# Altium PCB MC3.PcbDoc (part 2 of 4) (continued)
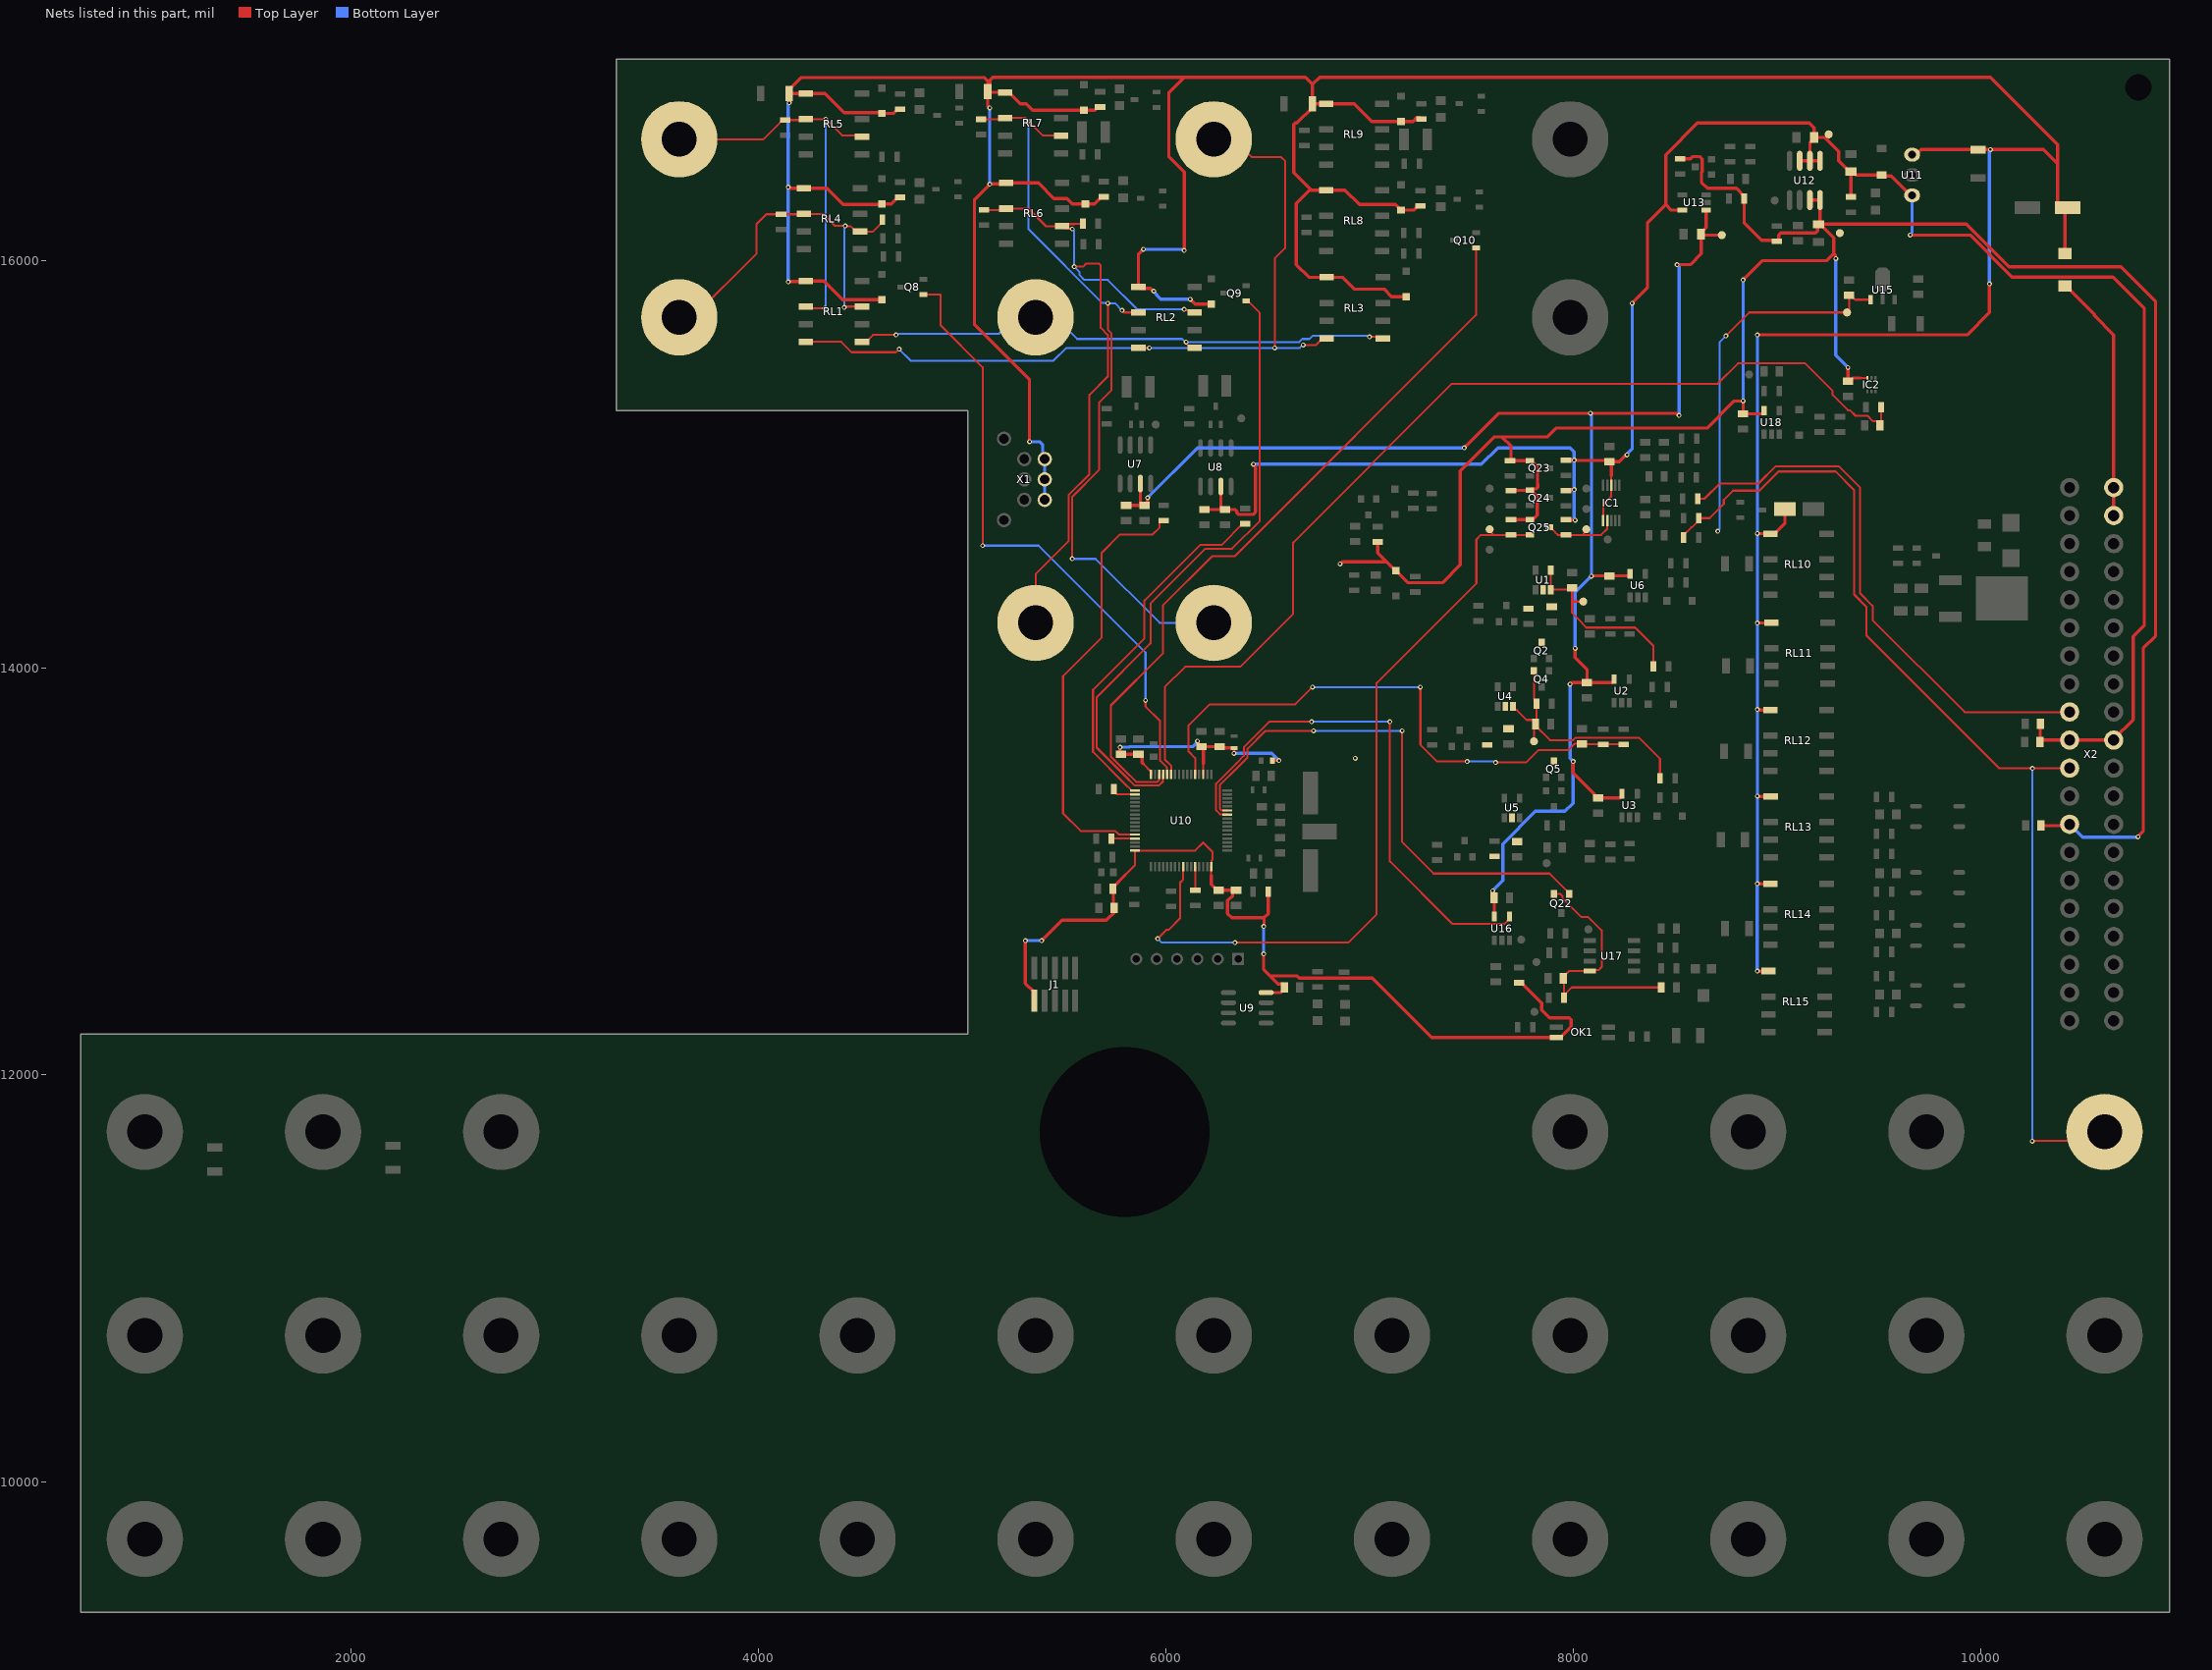
[diagram p2: the nets of this part, all layers, seen from the top]
## Part data (continued)
ESD1 ESD2: "TVS DIODE 35V 59V SOT323-3", Manufacturer=STMicroelectronics, Supplier Part Number 1=511-ESDCAN06-2BWY, Category="TVS Diodes", ComponentLink1Description=https://www.st.com/resource/en/datasheet/esdcan06-2bwy.pdf?src-supplier=Digi-Key, ComponentLink1URL=https://www.st.com/resource/en/datasheet/esdcan06-2bwy.pdf?src-supplier=Digi-Key, Manufacturer Part Number=ESDCAN06-2BWY, Pricing 1="1=0.42000, 10=0.29500, 100=0.13600, 1000=0.10400, 3000=0.08900, 9000=0.08100 (USD)", RoHS=No, Stock 1=4203, Supplier 1=Mouser
F1 F2 F3 F4 F5 F6 F7 F8: library part 0ZCJ0035AF2E, "PTC RESET FUSE 30V 350MA 1206", Case Code (Imperial)=1206, Case Code (Metric)=3216, Hold Current=350mA, Manufacturer=Bel, Max Current Rating=40A, Max Operating Temperature=85°C, Max Voltage Rating (DC)=30V, Min Operating Temperature=-40°C, Package Quantity=3000, Power Dissipation=600mW, Supplier Part Number 1=530-0ZCJ0035AF2E, Trip Current=750mA, Approvals=UL,TUV, Case/Package=1206, Category=Fuses, ComponentLink1Description=https://datasheet.ciiva.com/18550/0zcj-18550696.pdf?src-supplier=Digi-Key, ComponentLink1URL=https://datasheet.ciiva.com/18550/0zcj-18550696.pdf?src-supplier=Digi-Key, ComponentLink2Description=https://datasheet.ciiva.com/18550/0zcj-18550697.pdf?src-supplier=Digi-Key, ComponentLink2URL=https://datasheet.ciiva.com/18550/0zcj-18550697.pdf?src-supplier=Digi-Key, Contact Plating=Tin,Matte, Lead Free="Lead Free", Manufacturer Part Number=0ZCJ0035AF2E, Mount="Surface Mount", Number of Terminals=2, Packaging="Tape and Reel", Pricing 1="1=0.17000, 10=0.16700, 25=0.15400, 100=0.11700, 250=0.10600, 500=0.09000 (USD)", RoHS=Yes, Stock 1=19724, Supplier 1=Mouser, Time to Trip=0.1s
IC1: library part ADS1015BQDGSRQ1, "ADS1015B Automotive 12-Bit ADC", Manufacturer="Texas Instruments", Max Operating Temperature=125°C, Min Operating Temperature=-40°C, Supplier Part Number 1=595-ADS1015BQDGSRQ1, Category="Analog to Digital Converters (ADCs)", ComponentLink1Description=http://www.ti.com/lit/ds/symlink/ads1013-q1.pdf?src-supplier=Digi-Key, ComponentLink1URL=http://www.ti.com/lit/ds/symlink/ads1013-q1.pdf?src-supplier=Digi-Key, ComponentLink2Description=http://www.ti.com/general/docs/lit/getliterature.tsp?genericPartNumber=ADS1015-Q1&fileType=pdf&src-supplier=Farnell, ComponentLink2URL=http://www.ti.com/general/docs/lit/getliterature.tsp?genericPartNumber=ADS1015-Q1&fileType=pdf&src-supplier=Farnell, Interface=I2C, Manufacturer Part Number=ADS1015BQDGSRQ1, Number of Inputs=4, Pricing 1="1=3.25000, 10=2.92000, 100=2.27000, 250=2.27000, 500=1.96000, 1000=1.63000, 2500=1.52000, 5000=1.48000 (USD)", RoHS=No, Stock 1=3359, Supplier 1=Mouser
IC2: library part INA185A2IDRLR, "Current Sense Amplifiers A 595-INA185A2IDRLT", Manufacturer="Texas Instruments", Supplier Part Number 1=595-INA185A2IDRLR, Manufacturer Part Number=INA185A2IDRLR, Pricing 1="1=1.68000, 10=1.43000, 100=1.14000, 500=1.00000, 1000=0.82900, 4000=0.74300, 8000=0.71500 (USD)", RoHS=No, Stock 1=5511, Supplier 1=Mouser
J1: library part FTSH-105-01-F-DV-K, "SAMTEC - FTSH-105-01-F-DV-K - HEADER, 1.27 MM, SURFACE MOUNT, 10 CONTACTS", Color=Black, Manufacturer=Samtec, Max Current Rating=1.75A, Max Operating Temperature=125°C, Min Operating Temperature=-55°C, Package Quantity=1, Supplier Part Number 1=200-FTSH10501FDVK, Category="Headers and Wire Housings", ComponentLink1Description=https://datasheet.ciiva.com/19461/2046846-19461026.pdf?src-supplier=Jameco, ComponentLink1URL=https://datasheet.ciiva.com/19461/2046846-19461026.pdf?src-supplier=Jameco, ComponentLink2Description=https://datasheet.ciiva.com/738/ftsh-1xx-xx-xxx-dv-xxx-mkt-738998.pdf?src-supplier=Digi-Key, ComponentLink2URL=https://datasheet.ciiva.com/738/ftsh-1xx-xx-xxx-dv-xxx-mkt-738998.pdf?src-supplier=Digi-Key, ComponentLink3Description=https://datasheet.ciiva.com/10245/ftsh-mt-10245273.pdf?src-supplier=Avnet, ComponentLink3URL=https://datasheet.ciiva.com/10245/ftsh-mt-10245273.pdf?src-supplier=Avnet, ComponentLink4Description=https://datasheet.ciiva.com/16657/ftsh-mt-16657371.pdf?src-supplier=Avnet+Europe, ComponentLink4URL=https://datasheet.ciiva.com/16657/ftsh-mt-16657371.pdf?src-supplier=Avnet+Europe, ComponentLink5Description=https://datasheet.ciiva.com/15195/getdatasheetpartid-133463-15195260.pdf?src-supplier=Verical, ComponentLink5URL=https://datasheet.ciiva.com/15195/getdatasheetpartid-133463-15195260.pdf?src-supplier=Verical, Connector Type="Male Pin", Contact Material=Copper,Bronze, Contact Mating Length=0.12inch, Contact Plating=Gold, Depth=3.43mm, Height=3.3mm, Housing Color=Black, Housing Material=Polymer, Lead Free="Lead Free", Length=15.2mm, Manufacturer Part Number=FTSH-105-01-F-DV-K, Mount="Surface Mount", Number of Contacts=10, Number of Positions=10, Number of Rows=2, Orientation=Straight, Packaging=Rail/Tube, Pitch=1.27mm, Pricing 1="1=3.02000, 10=2.55000, 25=2.20000, 100=1.97000, 250=1.86000, 500=1.62000 (USD)", Radiation Hardening=No, RoHS=Yes, Row Spacing=0.05inch, Stock 1=5484, Supplier 1=Mouser, Termination=Solder
K1 K2 K3: "SINGLE-POLE, NORMALLY CLOSED4-LEAD SOP OPTOMOS RELAY", Case/Package=SOP, Manufacturer="Ixys Clare", Package Quantity=100, Supplier Part Number 1=849-CPC1114N, Category="Solid State Relays", ComponentLink1Description=https://datasheet.ciiva.com/15261/cpc1114n-15261697.pdf?src-supplier=Arrow+Europe, ComponentLink1URL=https://datasheet.ciiva.com/15261/cpc1114n-15261697.pdf?src-supplier=Arrow+Europe, Lead Free="Lead Free", Manufacturer Part Number=CPC1114N, Pricing 1="1=1.34000, 10=1.26000, 20=1.12000, 50=1.06000, 100=1.00000, 200=0.89600 (USD)", Radiation Hardening=No, RoHS=Yes, Stock 1=6476, Supplier 1=Mouser
K4: "Relay SSR 50mA 1.4V DC-IN 0.75A 60V AC-OUT 4-Pin SOP Tube", Case/Package=SOP, Input Current=50mA, Isolation Voltage=1.5kV, Manufacturer="Ixys Clare", Max Operating Temperature=85°C, Max Output Voltage=60V, Min Operating Temperature=-40°C, Output Current=750mA, Package Quantity=100, Supplier Part Number 1=849-CPC1019N, Category="Solid State Relays", ComponentLink1Description=http://components.arrow.com/part/dataview/0323_06647336?src-supplier=Arrow+Europe, ComponentLink1URL=http://components.arrow.com/part/dataview/0323_06647336?src-supplier=Arrow+Europe, ComponentLink2Description=http://www.mouser.com/ds/2/205/CPC1019N-594134.pdf?src-supplier=Mouser, ComponentLink2URL=http://www.mouser.com/ds/2/205/CPC1019N-594134.pdf?src-supplier=Mouser, ComponentLink3Description=http://components.arrow.com/part/dataview/47904908S477565N2018?src-supplier=Arrow, ComponentLink3URL=http://components.arrow.com/part/dataview/47904908S477565N2018?src-supplier=Arrow, ComponentLink4Description=http://www.ixysic.com/home/pdfs.nsf/www/CPC1019N.pdf/$file/CPC1019N.pdf?src-supplier=Digi-Key, ComponentLink4URL=http://www.ixysic.com/home/pdfs.nsf/www/CPC1019N.pdf/$file/CPC1019N.pdf?src-supplier=Digi-Key, Height=2.184mm, Length=4.089mm, Manufacturer Part Number=CPC1019N, Mount="Surface Mount", Number of Pins=4, Packaging=Rail/Tube, Pricing 1="1=1.76000, 10=1.61000, 20=1.47000, 50=1.41000, 100=1.34000, 200=1.19000 (USD)", Radiation Hardening=No, RoHS=Yes, Stock 1=6539, Supplier 1=Mouser, Termination="Gull Wing", Throw Configuration=SPST, Width=3.8mm
L1: "TDK         MPZ1608S601ATA00            FERRITE BEAD, 0.15OHM, 1A, 0603, FULL REEL", Case Code (Imperial)=0603, Case Code (Metric)=1608, Current Rating=1A, DC Resistance (DCR)=150mR, Manufacturer="TDK EPCOS", Max Operating Temperature=125°C, Min Operating Temperature=-55°C, Package Quantity=4000, Supplier Part Number 1=810-MPZ1608S601ATA00, Test Frequency=100MHz, Tolerance=25%, Case/Package=0603, Category="Ferrite Beads and Chips", ComponentLink1Description=https://datasheet.ciiva.com/46381/1795297-46381701.pdf?src-supplier=Element14, ComponentLink1URL=https://datasheet.ciiva.com/46381/1795297-46381701.pdf?src-supplier=Element14, ComponentLink2Description=https://datasheet.ciiva.com/46634/beads-commercial-power-mpz-en-46634518.pdf?src-supplier=Digi-Key, ComponentLink2URL=https://datasheet.ciiva.com/46634/beads-commercial-power-mpz-en-46634518.pdf?src-supplier=Digi-Key, ComponentLink3Description=https://datasheet.ciiva.com/46634/beads-commercial-power-mpz-en-46634462.pdf?src-supplier=Digi-Key, ComponentLink3URL=https://datasheet.ciiva.com/46634/beads-commercial-power-mpz-en-46634462.pdf?src-supplier=Digi-Key, ComponentLink4Description=https://datasheet.ciiva.com/46634/beads-commercial-power-mpz-en-46634494.pdf?src-supplier=Digi-Key, ComponentLink4URL=https://datasheet.ciiva.com/46634/beads-commercial-power-mpz-en-46634494.pdf?src-supplier=Digi-Key, Core Material=Ferrite, Depth=0.8mm, Height=0.8mm, Impedance=600R, Lead Free="Lead Free", Length=0.063inch, Manufacturer Part Number=MPZ1608S601ATA00, Max DC Current=1A, Mount="Surface Mount", Packaging="Tape and Reel", Pricing 1="1=0.10000, 10=0.07600, 100=0.03300, 500=0.03000, 1000=0.02600, 4000=0.02000 (USD)", REACH SVHC="No SVHC", RoHS=Yes, Stock 1=62, Supplier 1=Mouser, Termination=SMD/SMT, Weight=7.1E-05oz, Width=0.8mm
LED1 LED2 LED3 LED4 LED5 LED6 LED7 LED8 LED9 LED10 LED11: library part 150080VS75000, "LED GREEN CLEAR 0805 SMD", Case Code (Imperial)=0805, Case Code (Metric)=2012, Color=Green, Forward Current=30mA, Forward Voltage=2V, Manufacturer="Wurth Electronics", Max Operating Temperature=85°C, Min Operating Temperature=-40°C, Package Quantity=4000, Supplier Part Number 1=710-150080VS75000, Test Current=20mA, Case/Package=0805, Category=LEDs, ComponentLink1Description=https://datasheet.ciiva.com/22656/150080vs75000-22656966.pdf?src-supplier=Element14, ComponentLink1URL=https://datasheet.ciiva.com/22656/150080vs75000-22656966.pdf?src-supplier=Element14, ComponentLink2Description=https://datasheet.ciiva.com/29279/759437-da-01-en-chipled-0805-w-kl-h-gruen-150080vs7500-29279047.pdf?src-supplier=Conrad, ComponentLink2URL=https://datasheet.ciiva.com/29279/759437-da-01-en-chipled-0805-w-kl-h-gruen-150080vs7500-29279047.pdf?src-supplier=Conrad, ComponentLink3Description=https://datasheet.ciiva.com/29563/150080vs75000-29563018.pdf?src-supplier=Digi-Key, ComponentLink3URL=https://datasheet.ciiva.com/29563/150080vs75000-29563018.pdf?src-supplier=Digi-Key, Dominant Wavelength=570nm, Height=0.7mm, Length=2mm, Lens Style=Clear,Rectangular, Luminous Intensity=40mcd, Manufacturer Part Number=150080VS75000, Mount="Surface Mount", Packaging="Tape and Reel", Pricing 1="1=0.18000, 10=0.17500, 25=0.17400, 50=0.16200, 100=0.13900, 250=0.12300 (USD)", REACH SVHC=Unknown, RoHS=Yes, Stock 1=16574, Supplier 1=Mouser, Viewing Angle=140°, Wavelength=570nm, Width=1.25mm
LED12: library part 150080YS75000, "LED YELLOW CLEAR 0805 SMD", Case Code (Imperial)=0805, Case Code (Metric)=2012, Color=Yellow, Forward Current=30mA, Forward Voltage=2V, Manufacturer="Wurth Electronics", Max Operating Temperature=85°C, Min Operating Temperature=-40°C, Package Quantity=4000, Supplier Part Number 1=710-150080YS75000, Test Current=20mA, Case/Package=0805, Category=LEDs, ComponentLink1Description=https://datasheet.ciiva.com/23843/150080ys75000-23843256.pdf?src-supplier=Newark, ComponentLink1URL=https://datasheet.ciiva.com/23843/150080ys75000-23843256.pdf?src-supplier=Newark, ComponentLink2Description=https://datasheet.ciiva.com/29279/759438-da-01-en-chipled-0805-w-kl-gelb-150080ys75000-29279034.pdf?src-supplier=Conrad, ComponentLink2URL=https://datasheet.ciiva.com/29279/759438-da-01-en-chipled-0805-w-kl-gelb-150080ys75000-29279034.pdf?src-supplier=Conrad, ComponentLink3Description=https://datasheet.ciiva.com/22656/1911353-22656971.pdf?src-supplier=Element14, ComponentLink3URL=https://datasheet.ciiva.com/22656/1911353-22656971.pdf?src-supplier=Element14, ComponentLink4Description=https://datasheet.ciiva.com/29563/150080ys75000-29563019.pdf?src-supplier=Digi-Key, ComponentLink4URL=https://datasheet.ciiva.com/29563/150080ys75000-29563019.pdf?src-supplier=Digi-Key, ComponentLink5Description=https://datasheet.ciiva.com/29563/150080ys75000-29563020.pdf?src-supplier=Digi-Key, ComponentLink5URL=https://datasheet.ciiva.com/29563/150080ys75000-29563020.pdf?src-supplier=Digi-Key, ComponentLink6Description=https://datasheet.ciiva.com/29563/150080ys75000-29563021.pdf?src-supplier=Digi-Key, ComponentLink6URL=https://datasheet.ciiva.com/29563/150080ys75000-29563021.pdf?src-supplier=Digi-Key, Dominant Wavelength=590nm, Height=0.7mm, Length=2mm, Lens Style=Clear,Rectangular, Luminous Intensity=120mcd, Manufacturer Part Number=150080YS75000, Mount="Surface Mount", Packaging="Tape and Reel", Pricing 1="1=0.18000, 10=0.17400, 25=0.17400, 50=0.16200, 100=0.13900, 250=0.12400 (USD)", REACH SVHC=Unknown, RoHS=Yes, Stock 1=18730, Supplier 1=Mouser, Viewing Angle=140°, Wavelength=590nm, Width=1.25mm
LED13: library part 150080RS75000, "LED RED CLEAR 0805 SMD", Case Code (Imperial)=0805, Case Code (Metric)=2012, Color=Red, Forward Current=30mA, Forward Voltage=2V, Manufacturer="Wurth Electronics", Max Operating Temperature=85°C, Min Operating Temperature=-40°C, Package Quantity=4000, Supplier Part Number 1=710-150080RS75000, Test Current=20mA, Case/Package=0805, Category=LEDs, ComponentLink1Description=https://datasheet.ciiva.com/22656/150080rs75000-22656961.pdf?src-supplier=Element14, ComponentLink1URL=https://datasheet.ciiva.com/22656/150080rs75000-22656961.pdf?src-supplier=Element14, ComponentLink2Description=https://datasheet.ciiva.com/29279/759435-da-01-en-chipled-0805-w-kl-rot-150080rs75000-29279032.pdf?src-supplier=Conrad, ComponentLink2URL=https://datasheet.ciiva.com/29279/759435-da-01-en-chipled-0805-w-kl-rot-150080rs75000-29279032.pdf?src-supplier=Conrad, Dominant Wavelength=625nm, Height=0.7mm, Length=2mm, Lens Style=Clear,Rectangular, Luminous Intensity=150mcd, Manufacturer Part Number=150080RS75000, Mount="Surface Mount", Packaging="Tape and Reel", Pricing 1="1=0.18000, 10=0.17500, 25=0.17400, 50=0.16200, 100=0.13900, 250=0.12300 (USD)", REACH SVHC=Unknown, RoHS=Yes, Stock 1=2434, Supplier 1=Mouser, Viewing Angle=140°, Wavelength=625nm, Width=1.25mm
OK1: library part TLP292(GB-TPL,E, "OPTOISOLATOR 3.75KV TRANS 4-SO", Case/Package=SO, Collector Emitter Saturation Voltage=300mV, Forward Voltage=1.25V, Manufacturer=Toshiba, Max Collector Current=50mA, Max Operating Temperature=125°C, Max Output Voltage=80V, Max Power Dissipation=200mW, Min Operating Temperature=-55°C, Package Quantity=1, Supplier Part Number 1=757-TLP292GB-TPLE, Category=Optocouplers, Collector Emitter Voltage (VCEO)=300mV, ComponentLink1Description=https://datasheet.ciiva.com/29870/tlp292-datasheet-en-20130912-29870232.pdf?src-supplier=Digi-Key, ComponentLink1URL=https://datasheet.ciiva.com/29870/tlp292-datasheet-en-20130912-29870232.pdf?src-supplier=Digi-Key, ComponentLink2Description=https://datasheet.ciiva.com/29870/tlp292-datasheet-en-20130912-29870233.pdf?src-supplier=Digi-Key, ComponentLink2URL=https://datasheet.ciiva.com/29870/tlp292-datasheet-en-20130912-29870233.pdf?src-supplier=Digi-Key, ComponentLink3Description=https://datasheet.ciiva.com/29870/tlp292-datasheet-en-20130912-29870234.pdf?src-supplier=Digi-Key, ComponentLink3URL=https://datasheet.ciiva.com/29870/tlp292-datasheet-en-20130912-29870234.pdf?src-supplier=Digi-Key, ComponentLink4Description=https://datasheet.ciiva.com/30032/tlp292-datasheet-en-20130912-30032700.pdf?src-supplier=Avnet, ComponentLink4URL=https://datasheet.ciiva.com/30032/tlp292-datasheet-en-20130912-30032700.pdf?src-supplier=Avnet, Manufacturer Part Number=TLP292(GB-TPL,E, Max Input Current=50mA, Mount="Surface Mount", Number of Channels=1, Number of Pins=4, Output Current per Channel=50mA, Packaging="Tape and Reel", Pricing 1="1=0.60000, 10=0.35200, 100=0.23800, 500=0.20300, 1000=0.15900, 2500=0.13200, 10000=0.12400, 25000=0.11900, 50000=0.11500 (USD)", Radiation Hardening=No, RoHS=Yes, Stock 1=22194, Supplier 1=Mouser
P2: "Header, 6-Pin", LatestRevisionDate=17-Jul-2002, LatestRevisionNote="Re-released for DXP Platform.", Publisher="Altium Limited"
Q1 Q2 Q3 Q4 Q5 Q6 Q7 Q13 Q21: "ON Semi MMBT3904LT1G NPN Bipolar Transistor, 0.2 A, 40 V, 3-Pin SOT-23", Case/Package=SOT-23-3, Collector Base Voltage (VCBO)=60V, Collector Emitter Breakdown Voltage=40V, Collector Emitter Saturation Voltage=300mV, Current Rating=200mA, Emitter Base Voltage (VEBO)=6V, Frequency=300MHz, Manufacturer="ON Semiconductor", Max Operating Temperature=150°C, Max Power Dissipation=300mW, Min Operating Temperature=-55°C, Package Quantity=1, Supplier Part Number 1=863-MMBT3904LT1G, Category=BJTs, Collector Emitter Voltage (VCEO)=40V, ComponentLink1Description=https://datasheet.ciiva.com/16199/mmbt3904lt1-d-16199009.pdf?src-supplier=Future+Electronics, ComponentLink1URL=https://datasheet.ciiva.com/16199/mmbt3904lt1-d-16199009.pdf?src-supplier=Future+Electronics, ComponentLink2Description=https://datasheet.ciiva.com/4723/mmbt3904lt1-d-113169-4723050.pdf?src-supplier=Mouser, ComponentLink2URL=https://datasheet.ciiva.com/4723/mmbt3904lt1-d-113169-4723050.pdf?src-supplier=Mouser, ComponentLink3Description=https://datasheet.ciiva.com/15138/getdatasheetpartid-53263-15138779.pdf?src-supplier=Verical, ComponentLink3URL=https://datasheet.ciiva.com/15138/getdatasheetpartid-53263-15138779.pdf?src-supplier=Verical, ComponentLink4Description=https://datasheet.ciiva.com/976/mmbt3904lt1-d-976362.pdf?src-supplier=Digi-Key, ComponentLink4URL=https://datasheet.ciiva.com/976/mmbt3904lt1-d-976362.pdf?src-supplier=Digi-Key, ComponentLink5Description=https://datasheet.ciiva.com/16478/mmbt3904lt1-d-16478538.pdf?src-supplier=Avnet+Asia, ComponentLink5URL=https://datasheet.ciiva.com/16478/mmbt3904lt1-d-16478538.pdf?src-supplier=Avnet+Asia, ComponentLink6Description=https://datasheet.ciiva.com/976/mmbt3904lt1-d-976363.pdf?src-supplier=Digi-Key, ComponentLink6URL=https://datasheet.ciiva.com/976/mmbt3904lt1-d-976363.pdf?src-supplier=Digi-Key, ComponentLink7Description=https://datasheet.ciiva.com/11199/mmbt3904lt1-d-11199003.pdf?src-supplier=Avnet, ComponentLink7URL=https://datasheet.ciiva.com/11199/mmbt3904lt1-d-11199003.pdf?src-supplier=Avnet, ComponentLink8Description=https://datasheet.ciiva.com/976/mmbt3904lt1-d-976364.pdf?src-supplier=Digi-Key, ComponentLink8URL=https://datasheet.ciiva.com/976/mmbt3904lt1-d-976364.pdf?src-supplier=Digi-Key, ComponentLink9Description=https://datasheet.ciiva.com/14546/70099530-14546188.pdf?src-supplier=Allied+Electronics, ComponentLink9URL=https://datasheet.ciiva.com/14546/70099530-14546188.pdf?src-supplier=Allied+Electronics, ComponentLink10Description=https://datasheet.ciiva.com/7972/1708269-7972381.pdf?src-supplier=Element14, ComponentLink10URL=https://datasheet.ciiva.com/7972/1708269-7972381.pdf?src-supplier=Element14, ComponentLink11Description=https://datasheet.ciiva.com/22664/1708269-22664159.pdf?src-supplier=Element14, ComponentLink11URL=https://datasheet.ciiva.com/22664/1708269-22664159.pdf?src-supplier=Element14, Contact Plating=Tin,Matte, Element Configuration=Single, Gain Bandwidth Product=300MHz, Height=0.94mm, hFE Min=100, Lead Free="Lead Free", Length=2.9mm, Manufacturer Part Number=MMBT3904LT1G, Max Breakdown Voltage=40V, Max Collector Current=200mA, Max Frequency=300MHz, Number of Elements=1, Number of Pins=3, Packaging="Tape and Reel", Polarity=NPN, Power Dissipation=300mW, Pricing 1="1=0.12000, 10=0.10900, 100=0.03800, 1000=0.02500, 3000=0.01900, 9000=0.01700 (USD)", Radiation Hardening=No, REACH SVHC="No SVHC", RoHS=Yes, Stock 1=753014, Supplier 1=Mouser, Transition Frequency=300MHz, Type="General Purpose", Voltage Rating (DC)=40V, Width=1.3mm
Q8 Q9 Q10 Q14 Q15 Q16 Q17 Q18 Q19 Q20: "TRANS PREBIAS NPN 200MW SMT3", Case/Package=SMD/SMT, Collector Emitter Breakdown Voltage=50V, Collector Emitter Voltage (VCEO)=300mV, Continuous Collector Current=500mA, Manufacturer=Rohm, Max Operating Temperature=150°C, Max Power Dissipation=200mW, Min Operating Temperature=-55°C, Package Quantity=1, Supplier Part Number 1=755-DTD123YKT146, Transition Frequency=200MHz, Category=BJTs, ComponentLink1Description=https://datasheet.ciiva.com/6356/dtd123yk-6356016.pdf?src-supplier=Digi-Key, ComponentLink1URL=https://datasheet.ciiva.com/6356/dtd123yk-6356016.pdf?src-supplier=Digi-Key, ComponentLink2Description=https://datasheet.ciiva.com/16616/dtd123yk-16616256.pdf?src-supplier=Avnet+Europe, ComponentLink2URL=https://datasheet.ciiva.com/16616/dtd123yk-16616256.pdf?src-supplier=Avnet+Europe, ComponentLink3Description=https://datasheet.ciiva.com/5782/1645233-5782035.pdf?src-supplier=Farnell, ComponentLink3URL=https://datasheet.ciiva.com/5782/1645233-5782035.pdf?src-supplier=Farnell, ComponentLink4Description=https://datasheet.ciiva.com/16953/0900766b8101ddb2-16953270.pdf?src-supplier=Allied+Electronics, ComponentLink4URL=https://datasheet.ciiva.com/16953/0900766b8101ddb2-16953270.pdf?src-supplier=Allied+Electronics, ComponentLink5Description=https://datasheet.ciiva.com/12316/dtd123yk-210516-12316106.pdf?src-supplier=Mouser, ComponentLink5URL=https://datasheet.ciiva.com/12316/dtd123yk-210516-12316106.pdf?src-supplier=Mouser, ComponentLink6Description=https://datasheet.ciiva.com/8029/1645233-8029419.pdf?src-supplier=Element14, ComponentLink6URL=https://datasheet.ciiva.com/8029/1645233-8029419.pdf?src-supplier=Element14, ComponentLink7Description=https://datasheet.ciiva.com/11210/dtd123yk-11210380.pdf?src-supplier=Avnet, ComponentLink7URL=https://datasheet.ciiva.com/11210/dtd123yk-11210380.pdf?src-supplier=Avnet, Current Rating=500mA, Element Configuration=Single, Height=1.1mm, hFE Min=56, Lead Free="Lead Free", Length=2.9mm, Manufacturer Part Number=DTD123YKT146, Max Breakdown Voltage=50V, Max Collector Current=500mA, Max Output Current=500mA, Mount="Surface Mount", Number of Pins=3, Operating Supply Voltage=50V, Packaging="Tape and Reel", Polarity=NPN, Power Dissipation=200mW, Pricing 1="1=0.38000, 10=0.28800, 100=0.15600, 1000=0.11700, 3000=0.10100, 9000=0.09500 (USD)", Radiation Hardening=No, REACH SVHC="No SVHC", RoHS=Yes, Stock 1=8666, Supplier 1=Mouser, Termination=SMD/SMT, Voltage Rating (DC)=50V, Width=1.6mm
Q11: "Trans MOSFET P-CH 40V 8.4A 3-Pin(2+Tab) DPAK T/R", Case/Package=TO-252, Continuous Drain Current (ID)=8.4A, Current Rating=-8.4A, Drain to Source Breakdown Voltage=-40V, Drain to Source Resistance=27mR, Drain to Source Voltage (Vdss)=40V, Gate to Source Voltage (Vgs)=20V, Input Capacitance=2.38nF, Manufacturer="ON Semiconductor / Fairchild", Max Operating Temperature=150°C, Max Power Dissipation=69W, Min Operating Temperature=-55°C, On-State Resistance=27MR, Package Quantity=2500, Supplier Part Number 1=512-FDD4685, Threshold Voltage=-1.6V, Category="Integrated Circuits (ICs)", ComponentLink1Description=https://datasheet.ciiva.com/6382/fdd4685-6382336.pdf?src-supplier=Digi-Key, ComponentLink1URL=https://datasheet.ciiva.com/6382/fdd4685-6382336.pdf?src-supplier=Digi-Key, ComponentLink2Description=https://datasheet.ciiva.com/22700/298848-22700881.pdf?src-supplier=Element14, ComponentLink2URL=https://datasheet.ciiva.com/22700/298848-22700881.pdf?src-supplier=Element14, ComponentLink3Description=https://datasheet.ciiva.com/4439/fdd4685-94891-4439978.pdf?src-supplier=Mouser, ComponentLink3URL=https://datasheet.ciiva.com/4439/fdd4685-94891-4439978.pdf?src-supplier=Mouser, ComponentLink4Description=https://datasheet.ciiva.com/16742/fdd4685-16742918.pdf?src-supplier=Future+Electronics, ComponentLink4URL=https://datasheet.ciiva.com/16742/fdd4685-16742918.pdf?src-supplier=Future+Electronics, ComponentLink5Description=https://datasheet.ciiva.com/7967/298848-7967879.pdf?src-supplier=Element14, ComponentLink5URL=https://datasheet.ciiva.com/7967/298848-7967879.pdf?src-supplier=Element14, ComponentLink6Description=https://datasheet.ciiva.com/26144/fdd4685-26144727.pdf?src-supplier=Avnet+Europe, ComponentLink6URL=https://datasheet.ciiva.com/26144/fdd4685-26144727.pdf?src-supplier=Avnet+Europe, ComponentLink7Description=https://datasheet.ciiva.com/22746/1930081-22746458.pdf?src-supplier=Element14, ComponentLink7URL=https://datasheet.ciiva.com/22746/1930081-22746458.pdf?src-supplier=Element14, ComponentLink8Description=https://datasheet.ciiva.com/11175/fdd4685-11175308.pdf?src-supplier=Avnet, ComponentLink8URL=https://datasheet.ciiva.com/11175/fdd4685-11175308.pdf?src-supplier=Avnet, ComponentLink9Description=https://datasheet.ciiva.com/22655/1930081-22655292.pdf?src-supplier=Element14, ComponentLink9URL=https://datasheet.ciiva.com/22655/1930081-22655292.pdf?src-supplier=Element14, Contact Plating=Tin,Matte, Dual Supply Voltage=-40V, Element Configuration=Single, Fall Time=14ns, Height=2.39mm, Lead Free="Lead Free", Length=6.73mm, Manufacturer Part Number=FDD4685, Mount="Surface Mount", Nominal Vgs=-1.6V, Number of Elements=1, Number of Pins=3, Packaging="Tape and Reel", Power Dissipation=69W, Pricing 1="1=1.02000, 10=0.87500, 100=0.67200, 500=0.59400, 1000=0.46900, 2500=0.44700 (USD)", Radiation Hardening=No, Rds On Max=27mR, REACH SVHC="No SVHC", Rise Time=15ns, RoHS=Yes, Stock 1=9242, Supplier 1=Mouser, Termination=SMD/SMT, Turn-Off Delay Time=34ns, Turn-On Delay Time=8ns, Voltage Rating (DC)=-40V, Weight=0.26037g, Width=6.22mm
Q12 Q23 Q24 Q25: "MOSFET N-CH 50V 220MA SOT-23", Case/Package=SOT-23, Continuous Drain Current (ID)=220mA, Drain to Source Breakdown Voltage=50V, Drain to Source Resistance=3.5R, Gate to Source Voltage (Vgs)=20V, Input Capacitance=27pF, Manufacturer="ON Semiconductor / Fairchild", Max Operating Temperature=150°C, Max Power Dissipation=360mW, Min Operating Temperature=-55°C, On-State Resistance=6R, Package Quantity=1, Supplier Part Number 1=512-BSS138, Threshold Voltage=1.3V, Category=MOSFETs, ComponentLink1Description=https://datasheet.ciiva.com/931/bss138-931776.pdf?src-supplier=Digi-Key, ComponentLink1URL=https://datasheet.ciiva.com/931/bss138-931776.pdf?src-supplier=Digi-Key, ComponentLink2Description=https://datasheet.ciiva.com/1190/193736-1190130.pdf?src-supplier=Element14, ComponentLink2URL=https://datasheet.ciiva.com/1190/193736-1190130.pdf?src-supplier=Element14, ComponentLink3Description=https://datasheet.ciiva.com/27050/784896-27050043.pdf?src-supplier=Jameco, ComponentLink3URL=https://datasheet.ciiva.com/27050/784896-27050043.pdf?src-supplier=Jameco, ComponentLink4Description=https://datasheet.ciiva.com/1190/193736-1190131.pdf?src-supplier=Element14, ComponentLink4URL=https://datasheet.ciiva.com/1190/193736-1190131.pdf?src-supplier=Element14, ComponentLink5Description=https://datasheet.ciiva.com/1254/193736-1254983.pdf?src-supplier=Newark, ComponentLink5URL=https://datasheet.ciiva.com/1254/193736-1254983.pdf?src-supplier=Newark, ComponentLink6Description=https://datasheet.ciiva.com/16834/bss138-16834843.pdf?src-supplier=Future+Electronics, ComponentLink6URL=https://datasheet.ciiva.com/16834/bss138-16834843.pdf?src-supplier=Future+Electronics, ComponentLink7Description=https://datasheet.ciiva.com/26229/bss138-26229007.pdf?src-supplier=Avnet+Europe, ComponentLink7URL=https://datasheet.ciiva.com/26229/bss138-26229007.pdf?src-supplier=Avnet+Europe, ComponentLink8Description=https://datasheet.ciiva.com/3304/bss138-3304424.pdf?src-supplier=Avnet, ComponentLink8URL=https://datasheet.ciiva.com/3304/bss138-3304424.pdf?src-supplier=Avnet, ComponentLink9Description=https://datasheet.ciiva.com/22655/193736-22655240.pdf?src-supplier=Element14, ComponentLink9URL=https://datasheet.ciiva.com/22655/193736-22655240.pdf?src-supplier=Element14, Contact Plating=Tin,Matte, Current Rating=220mA, Drain to Source Voltage (Vdss)=50V, Dual Supply Voltage=50V, Element Configuration=Single, Fall Time=9ns, Height=0.93mm, Lead Free="Lead Free", Length=2.92mm, Manufacturer Part Number=BSS138, Mount="Surface Mount", Nominal Vgs=1.3V, Number of Elements=1, Number of Pins=3, Packaging="Tape and Reel", Power Dissipation=360mW, Pricing 1="1=0.26000, 10=0.17800, 100=0.07400, 1000=0.05000, 3000=0.03900, 9000=0.03300, 24000=0.03100, 45000=0.02900 (USD)", Radiation Hardening=No, Rds On Max=3.5R, REACH SVHC="No SVHC", Rise Time=9ns, RoHS=Yes, Stock 1=736044, Supplier 1=Mouser, Termination=SMD/SMT, Turn-Off Delay Time=20ns, Turn-On Delay Time=2.5ns, Voltage Rating (DC)=50V, Weight=0.03g, Width=1.3mm
Q22: "TRANS PREBIAS PNP 230MW SC59", Case/Package=SC, Collector Emitter Breakdown Voltage=50V, Collector Emitter Saturation Voltage=250mV, Continuous Collector Current=100mA, Current Rating=-100mA, Manufacturer="ON Semiconductor", Max Operating Temperature=150°C, Max Power Dissipation=230mW, Min Operating Temperature=-55°C, Package Quantity=1, Supplier Part Number 1=863-MUN2111T1G, Voltage Rating (DC)=-50V, Category=BJTs, Collector Emitter Voltage (VCEO)=50V, ComponentLink1Description=https://datasheet.ciiva.com/989/dta114e-d-989072.pdf?src-supplier=Digi-Key, ComponentLink1URL=https://datasheet.ciiva.com/989/dta114e-d-989072.pdf?src-supplier=Digi-Key, ComponentLink2Description=https://datasheet.ciiva.com/15139/getdatasheetpartid-93629-15139627.pdf?src-supplier=Verical, ComponentLink2URL=https://datasheet.ciiva.com/15139/getdatasheetpartid-93629-15139627.pdf?src-supplier=Verical, ComponentLink3Description=https://datasheet.ciiva.com/989/dta114e-d-989073.pdf?src-supplier=Digi-Key, ComponentLink3URL=https://datasheet.ciiva.com/989/dta114e-d-989073.pdf?src-supplier=Digi-Key, ComponentLink4Description=https://datasheet.ciiva.com/989/dta114e-d-989074.pdf?src-supplier=Digi-Key, ComponentLink4URL=https://datasheet.ciiva.com/989/dta114e-d-989074.pdf?src-supplier=Digi-Key, ComponentLink5Description=https://datasheet.ciiva.com/16388/dta114e-d-16388471.pdf?src-supplier=Future+Electronics, ComponentLink5URL=https://datasheet.ciiva.com/16388/dta114e-d-16388471.pdf?src-supplier=Future+Electronics, Contact Plating=Tin,Matte, Element Configuration=Single, Halogen Free="Halogen Free", Height=1.09mm, hFE Min=35, Lead Free="Lead Free", Length=2.9mm, Manufacturer Part Number=MUN2111T1G, Max Breakdown Voltage=50V, Max Collector Current=100mA, Max Output Current=100mA, Number of Pins=3, Operating Supply Voltage=50V, Packaging="Tape and Reel", Polarity=PNP, Pricing 1="1=0.14000, 10=0.12300, 100=0.04200, 1000=0.02900, 3000=0.02300, 9000=0.01900, 24000=0.01800, 45000=0.01500, 99000=0.01400 (USD)", Radiation Hardening=No, REACH SVHC="No SVHC", RoHS=Yes, Stock 1=22623, Supplier 1=Mouser, Weight=0.000282oz, Width=1.5mm
R1 R3 R5 R10 R12 R16 R17: library part ERJ-6ENF4701V, "4.7 kohm, ERJ6E Serien, 150 V, Tjockfilm,PANASONIC - ERJ6ENF4701V - Ytmonterat chipmotstånd, Tjockfilm, 0805 [2012 Metrisk]", Case Code (Imperial)=0805, Case Code (Metric)=2012, Manufacturer=Panasonic, Max Operating Temperature=155°C, Max Power Dissipation=125mW, Min Operating Temperature=-55°C, Package Quantity=1, Resistance=4.7kR, Supplier Part Number 1=667-ERJ-6ENF4701V, Temperature Coefficient=100ppm/°C, Tolerance=1%, Voltage Rating=150V, Case/Package=0805, Category="Chip SMD Resistors", ComponentLink1Description=https://datasheet.ciiva.com/11821/0900766b80f80784-11821673.pdf?src-supplier=RSComponents, ComponentLink1URL=https://datasheet.ciiva.com/11821/0900766b80f80784-11821673.pdf?src-supplier=RSComponents, ComponentLink2Description=https://datasheet.ciiva.com/28514/426256-28514229.pdf?src-supplier=Element14, ComponentLink2URL=https://datasheet.ciiva.com/28514/426256-28514229.pdf?src-supplier=Element14, ComponentLink3Description=https://datasheet.ciiva.com/16200/aoa0000ce2-16200217.pdf?src-supplier=Future+Electronics, ComponentLink3URL=https://datasheet.ciiva.com/16200/aoa0000ce2-16200217.pdf?src-supplier=Future+Electronics, ComponentLink4Description=https://datasheet.ciiva.com/7830/426256-7830750.pdf?src-supplier=Element14, ComponentLink4URL=https://datasheet.ciiva.com/7830/426256-7830750.pdf?src-supplier=Element14, ComponentLink5Description=https://datasheet.ciiva.com/16777/70260748-16777271.pdf?src-supplier=Allied+Electronics, ComponentLink5URL=https://datasheet.ciiva.com/16777/70260748-16777271.pdf?src-supplier=Allied+Electronics, ComponentLink6Description=https://datasheet.ciiva.com/9117/aoa0000ce2-9117307.pdf?src-supplier=Avnet, ComponentLink6URL=https://datasheet.ciiva.com/9117/aoa0000ce2-9117307.pdf?src-supplier=Avnet, ComponentLink7Description=https://datasheet.ciiva.com/16769/70260748-16769116.pdf?src-supplier=Allied+Electronics, ComponentLink7URL=https://datasheet.ciiva.com/16769/70260748-16769116.pdf?src-supplier=Allied+Electronics, ComponentLink8Description=https://datasheet.ciiva.com/24124/aoa0000ce2-24124253.pdf?src-supplier=Mouser, ComponentLink8URL=https://datasheet.ciiva.com/24124/aoa0000ce2-24124253.pdf?src-supplier=Mouser, ComponentLink9Description=https://datasheet.ciiva.com/22667/1678782-22667902.pdf?src-supplier=Element14, ComponentLink9URL=https://datasheet.ciiva.com/22667/1678782-22667902.pdf?src-supplier=Element14, Composition="Thick Film", Contact Plating=Tin, Depth=1.25mm, Features="Automotive AEC-Q200", Height=0.6mm, Lead Free="Lead Free", Length=2mm, Manufacturer Part Number=ERJ-6ENF4701V, Military Standard=Not, Mount="Surface Mount", Number of Pins=2, Number of Terminations=2, Packaging="Tape and Reel", Power Rating=125mW, Pricing 1="1=0.13000, 10=0.07200, 100=0.06800, 500=0.06800, 1000=0.06800, 5000=0.01700 (USD)", Radiation Hardening=No, REACH SVHC="No SVHC", RoHS=Yes, Stock 1=169380, Supplier 1=Mouser, Termination=SMD/SMT, Voltage Rating (DC)=150V, Weight=0.000194oz, Width=0.049inch, Working Voltage=150V
R2 R8 R14 R19 R24 R27 R60 R61 R71 R72 R73 R74 R75 R76 R85 R87 R89 R90 R92 R96 R99 R100 R107 R108: library part CRCW080510K0FKEA, "VISHAY - CRCW080510K0FKEA - SMD Chip Resistor, 0805 [2012 Metric], 10 kohm, CRCW e3 Series, 150 V, Thick Film, 125 mW", Case Code (Imperial)=0805, Case Code (Metric)=2012, Manufacturer=Vishay, Max Operating Temperature=155°C, Min Operating Temperature=-55°C, Package Quantity=5000, Power Rating=125mW, Resistance=10kR, Supplier Part Number 1=71-CRCW0805-10K-E3, Temperature Coefficient=100ppm/°C, Tolerance=1%, Voltage Rating=150V, Case/Package=0805, Category="Chip SMD Resistors", ComponentLink1Description=https://datasheet.ciiva.com/11808/0900766b80d98b26-11808216.pdf?src-supplier=RSComponents, ComponentLink1URL=https://datasheet.ciiva.com/11808/0900766b80d98b26-11808216.pdf?src-supplier=RSComponents, ComponentLink2Description=https://datasheet.ciiva.com/5547/dcrcwe3-109170-5547559.pdf?src-supplier=Mouser, ComponentLink2URL=https://datasheet.ciiva.com/5547/dcrcwe3-109170-5547559.pdf?src-supplier=Mouser, ComponentLink3Description=https://datasheet.ciiva.com/16719/70201119-16719082.pdf?src-supplier=Allied+Electronics, ComponentLink3URL=https://datasheet.ciiva.com/16719/70201119-16719082.pdf?src-supplier=Allied+Electronics, ComponentLink4Description=https://datasheet.ciiva.com/16883/dcrcwe3-16883708.pdf?src-supplier=Avnet+Europe, ComponentLink4URL=https://datasheet.ciiva.com/16883/dcrcwe3-16883708.pdf?src-supplier=Avnet+Europe, ComponentLink5Description=https://datasheet.ciiva.com/8337/dcrcwe3-8337773.pdf?src-supplier=Avnet, ComponentLink5URL=https://datasheet.ciiva.com/8337/dcrcwe3-8337773.pdf?src-supplier=Avnet, ComponentLink6Description=https://datasheet.ciiva.com/46394/1720486-46394381.pdf?src-supplier=Element14, ComponentLink6URL=https://datasheet.ciiva.com/46394/1720486-46394381.pdf?src-supplier=Element14, ComponentLink7Description=https://datasheet.ciiva.com/16199/dcrcwe3-16199086.pdf?src-supplier=Future+Electronics, ComponentLink7URL=https://datasheet.ciiva.com/16199/dcrcwe3-16199086.pdf?src-supplier=Future+Electronics, ComponentLink8Description=https://datasheet.ciiva.com/16514/dcrcwe3-16514907.pdf?src-supplier=Avnet+Asia, ComponentLink8URL=https://datasheet.ciiva.com/16514/dcrcwe3-16514907.pdf?src-supplier=Avnet+Asia, ComponentLink9Description=https://datasheet.ciiva.com/16755/70201119-16755389.pdf?src-supplier=Allied+Electronics, ComponentLink9URL=https://datasheet.ciiva.com/16755/70201119-16755389.pdf?src-supplier=Allied+Electronics, ComponentLink10Description=https://datasheet.ciiva.com/8337/dcrcwe3-8337774.pdf?src-supplier=Avnet, ComponentLink10URL=https://datasheet.ciiva.com/8337/dcrcwe3-8337774.pdf?src-supplier=Avnet, Composition="Thick Film", Contact Plating=Tin, Depth=1.25mm, Height=0.45mm, Lead Free="Lead Free", Length=2mm, Manufacturer Part Number=CRCW080510K0FKEA, Military Standard=Not, Packaging="Tape and Reel", Pricing 1="1=0.10000, 10=0.06200, 100=0.02500, 1000=0.01000, 5000=0.00700, 10000=0.00600 (USD)", Radiation Hardening=No, REACH SVHC=Unknown, RoHS=Yes, Stock 1=1138857, Supplier 1=Mouser, Termination=SMD/SMT, Voltage Rating (DC)=150V, Weight=0.000194oz, Width=1.25mm
R4 R9 R20 R102: library part ERJ-6ENF1801V, "RESISTOR, 0805, 0.125W, 1%, 1K8", Case Code (Imperial)=0805, Case Code (Metric)=2012, Manufacturer=Panasonic, Max Operating Temperature=155°C, Max Power Dissipation=125mW, Min Operating Temperature=-55°C, Package Quantity=1, Resistance=1.8kR, Supplier Part Number 1=667-ERJ-6ENF1801V, Temperature Coefficient=100ppm/°C, Tolerance=1%, Voltage Rating=150V, Case/Package=0805, Category="Chip SMD Resistors", ComponentLink1Description=https://datasheet.ciiva.com/11821/0900766b80f80784-11821574.pdf?src-supplier=RSComponents, ComponentLink1URL=https://datasheet.ciiva.com/11821/0900766b80f80784-11821574.pdf?src-supplier=RSComponents, ComponentLink2Description=https://datasheet.ciiva.com/17214/aoa0000ce2-17214517.pdf?src-supplier=Avnet+Europe, ComponentLink2URL=https://datasheet.ciiva.com/17214/aoa0000ce2-17214517.pdf?src-supplier=Avnet+Europe, ComponentLink3Description=https://datasheet.ciiva.com/7887/426256-7887030.pdf?src-supplier=Element14, ComponentLink3URL=https://datasheet.ciiva.com/7887/426256-7887030.pdf?src-supplier=Element14, ComponentLink4Description=https://datasheet.ciiva.com/16763/70260748-16763351.pdf?src-supplier=Allied+Electronics, ComponentLink4URL=https://datasheet.ciiva.com/16763/70260748-16763351.pdf?src-supplier=Allied+Electronics, ComponentLink5Description=https://datasheet.ciiva.com/22673/1678782-22673704.pdf?src-supplier=Element14, ComponentLink5URL=https://datasheet.ciiva.com/22673/1678782-22673704.pdf?src-supplier=Element14, ComponentLink6Description=https://datasheet.ciiva.com/46420/1678782-46420328.pdf?src-supplier=Element14, ComponentLink6URL=https://datasheet.ciiva.com/46420/1678782-46420328.pdf?src-supplier=Element14, ComponentLink7Description=https://datasheet.ciiva.com/16512/aoa0000ce2-16512137.pdf?src-supplier=Avnet+Asia, ComponentLink7URL=https://datasheet.ciiva.com/16512/aoa0000ce2-16512137.pdf?src-supplier=Avnet+Asia, ComponentLink8Description=https://datasheet.ciiva.com/6138/426256-6138778.pdf?src-supplier=Farnell, ComponentLink8URL=https://datasheet.ciiva.com/6138/426256-6138778.pdf?src-supplier=Farnell, ComponentLink9Description=https://datasheet.ciiva.com/16760/70260748-16760811.pdf?src-supplier=Allied+Electronics, ComponentLink9URL=https://datasheet.ciiva.com/16760/70260748-16760811.pdf?src-supplier=Allied+Electronics, ComponentLink10Description=https://datasheet.ciiva.com/24024/aoa0000ce2-24024172.pdf?src-supplier=Mouser, ComponentLink10URL=https://datasheet.ciiva.com/24024/aoa0000ce2-24024172.pdf?src-supplier=Mouser, ComponentLink11Description=https://datasheet.ciiva.com/7886/426256-7886751.pdf?src-supplier=Element14, ComponentLink11URL=https://datasheet.ciiva.com/7886/426256-7886751.pdf?src-supplier=Element14, ComponentLink12Description=https://datasheet.ciiva.com/30154/aoa0000ce2-30154047.pdf?src-supplier=Onlinecomponents.com, ComponentLink12URL=https://datasheet.ciiva.com/30154/aoa0000ce2-30154047.pdf?src-supplier=Onlinecomponents.com, Composition="Thick Film", Contact Plating=Tin, Depth=1.25mm, Features="Automotive AEC-Q200", Height=0.6mm, Length=2mm, Manufacturer Part Number=ERJ-6ENF1801V, Military Standard=Not, Mount="Surface Mount", Number of Pins=2, Number of Terminations=2, Packaging="Tape and Reel", Power Rating=125mW, Pricing 1="1=0.12000, 10=0.08900, 100=0.03500, 1000=0.01700, 5000=0.01700, 10000=0.01700 (USD)", REACH SVHC="No SVHC", RoHS=Yes, Stock 1=1306, Supplier 1=Mouser, Termination=SMD/SMT, Voltage Rating (DC)=150V, Width=0.049inch